# Altium PCB DI544.PcbDoc (part 6 of 7) (continued)
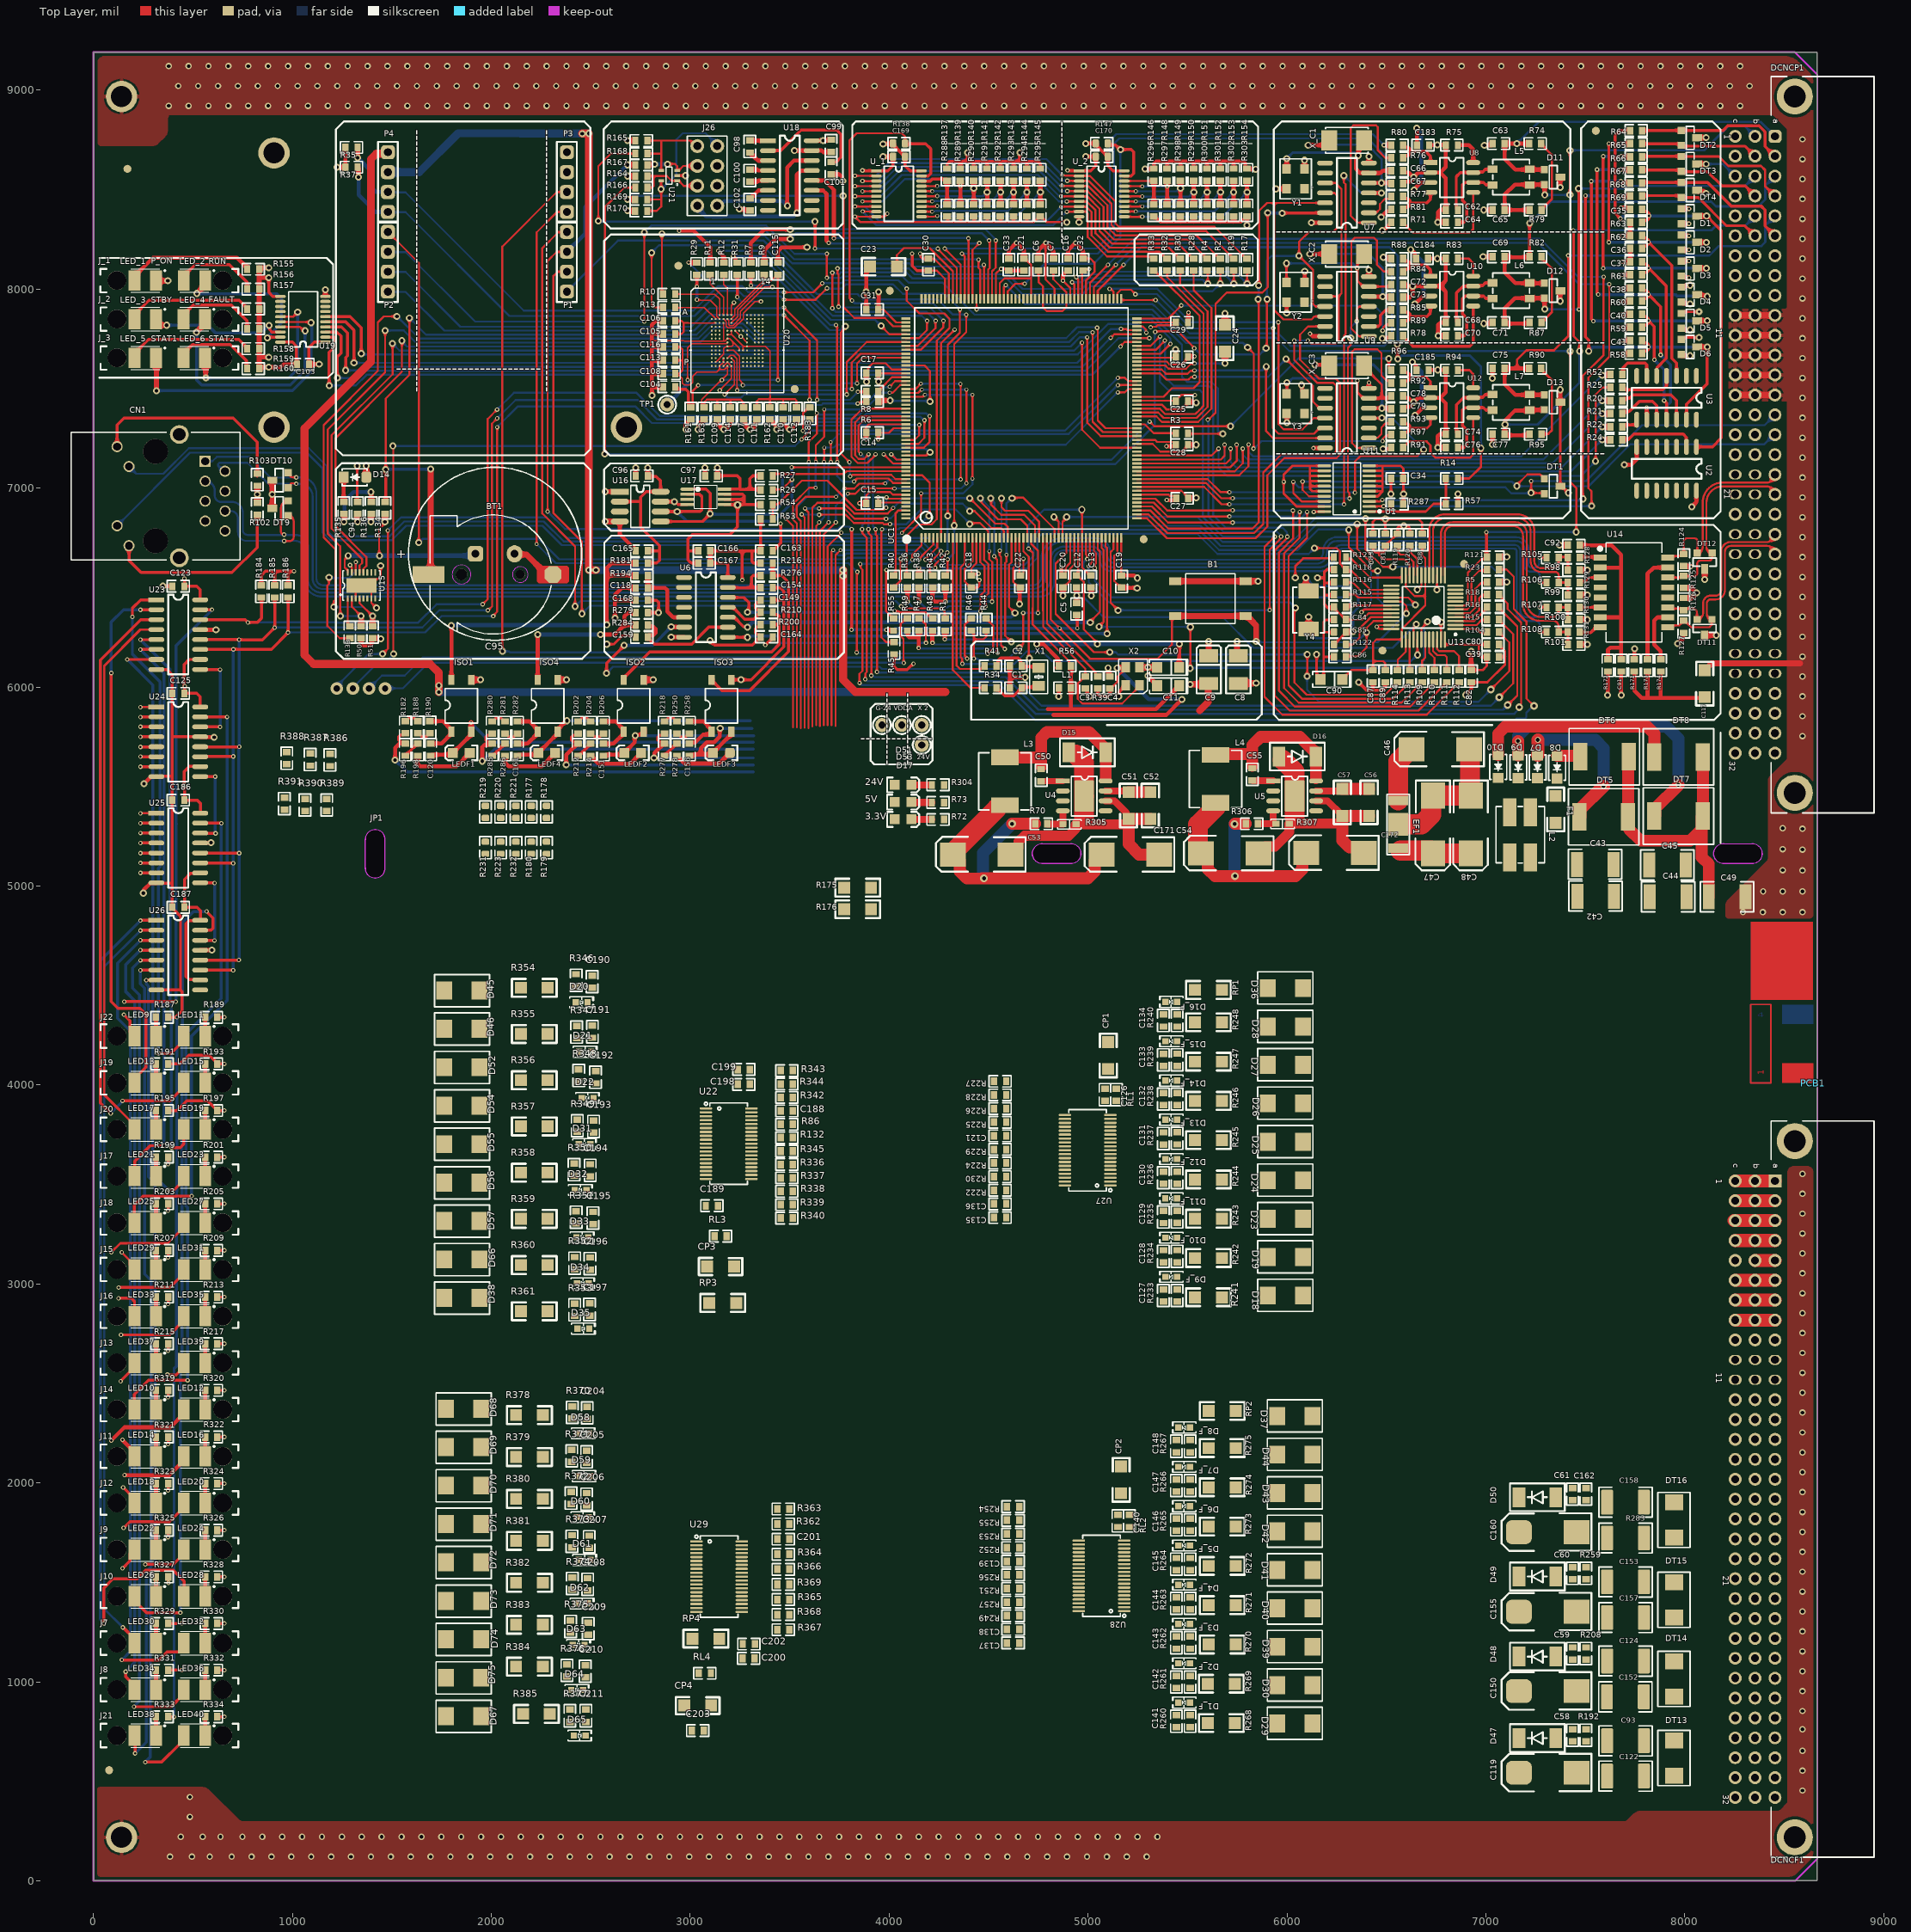
[diagram p0: Top Layer view]
## Nets (pads, with @x,y where several pads share a name; then routed paths per layer and width w, separated by ;. In a path a pad name is that pad's centre, name@x,y a point inside that pad or via, vN(x,y) a via of type N, cw(c..) or ccw(c..) an arc to the next point about the centre after c; other vN are vias at no path point) (continued)
  Bottom Layer w10: v1(5362.06,7762.48) 5360.81,7761.23 5360.81,7535.84 5402.87,7493.78 5562.22,7493.78 5576.94,7479.06 5576.94,6856.63 5677.94,6755.63 v1(5938.65,6755.65)
NetR112_2: R112.2 U13.46 | length 244.1
  Top Layer w10: U13.46@6754.71,6239.22 6754.81,6239.12 6754.81,6191.06 6764.76,6181.1 6840.55,6181.1 6865.72,6155.94 R112.2@6865.72,6085.48
NetR113_1: R113.1 UC1.56 | length 2495
  Top Layer w10: UC1.56@5245.9,6907.82 5321.77,6907.82 5402.59,6827 v1@5725.92,6827 ; v1(6101.15,6880.84) 6101.15,6750.75 6008.86,6658.46 6008.86,6008.86 6076.1,5941.61 6535.24,5941.61 R113.1@6618.1,6024.48
  Bottom Layer w10: v1@5725.92,6827 v1(5726.91,6827) 6048.29,6827 v1@6103.12,6881.82
NetR113_2: R113.2 U13.39 | length 154.2
  Top Layer w10: U13.39@6616.92,6239.22 6616.92,6086.66 R113.2@6618.1,6085.48
NetR114_1: R114.1 UC1.44 | length 2281.9
  Top Layer w10: v1(5003.36,6607.29) 5003.36,6610.53 5021.31,6628.48 5021.31,6661.69 5009.68,6673.32 UC1.44@5009.68,6750.34 ; v3@6037.8,6406.5 6037.8,6023.23 6099.41,5961.61 6493.34,5961.61 R114.1@6556.2,6024.48
  Bottom Layer w10: v1(5003.36,6607.29) 5003.65,6607 5003.65,6526.42 5103.9,6426.18 6015.55,6426.18 v3(6043.11,6398.62)
NetR114_2: R114.2 U13.38 | length 170.7
  Top Layer w10: R114.2@6556.2,6085.48 6557.09,6086.36 6557.09,6137.8 6597.23,6177.94 U13.38@6597.23,6239.22
NetR116_1: R116.1 U13.27 | length 251.2
  Top Layer w10: R116.1@6297.23,6523.52 6299.31,6525.59 6331.69,6525.59 6387.75,6469.53 U13.27@6524.4,6469.53
NetR117_2: R117.2 U13.30 UC1.45 | length 1802.1
  Top Layer w10: UC1.45@5029.36,6750.34 5029.36,6681.64 5039.18,6671.82 5039.18,6621.07 5034.03,6615.92 v1(5034.03,6597.98) ; R117.2@6297.23,6399.56 R117.2@6308.11,6410.43 ; v1@6331.71,6410.45 U13.30@6524.4,6410.48
  Top Layer w18: R117.2@6308.11,6410.43 v1@6331.69,6410.43
  Bottom Layer w10: v1@5036,6597 5034.03,6595.03 5034.03,6534.87 5118.11,6450.79 6292.05,6450.79 v1@6331.69,6411.14
  other v1: 6331.69,6411.42
NetR119_1: R119.1 U13.21 | length 198.3
  Top Layer w10: R119.1@6556.2,6710.48 6558.07,6708.6 6558.07,6679.13 6570.87,6666.34 6599.41,6666.34 6636.29,6629.46 6636.29,6629.15 ; U13.21@6636.6,6562.05 6636.6,6629.15
NetR120_1: R120.1 U13.20 | length 164.2
  Top Layer w10: R120.1@6618.1,6710.48 6618.1,6680.13 6656.29,6641.94 U13.20@6656.29,6562.05
NetR121_2: R121.2 U13.7 UC1.135 | length 4901
  Top Layer w10: UC1.135@4576.61,7951.13 4576.61,8008.72 4586.41,8018.53 v1(4586.41,8021.23) ; U13.7@6847.23,6410.48 6896.7,6410.48 6909.45,6423.23 6909.45,6574.8 6980.13,6645.48 7003.28,6645.48 R121.2@7005.27,6647.47 ; R121.2@7002.95,6656.47 R121.2@7005.27,6654.15 R121.2@7005.27,6647.64 ; v3(7424.21,7688.98) 7424.21,7031.5 7454.72,7000.98 v3(7454.72,6779.53)
  Top Layer w15: R121.2@7002.95,6656.47 v1(7002.95,6779)
  Bottom Layer w10: v1(4586.41,8021.23) 4683.43,7924.21 5324.5,7924.21 5330.67,7918.05 5333.31,7918.05 5495.36,7756 5944.79,7756 6011.81,7688.98 v3(7424.21,7688.98) ; v1(7002.95,6779) 7003.22,6779.26 7454.46,6779.26 v3(7454.72,6779.53)
NetR122_2: R122.2 U13.33 | length 311.3
  Top Layer w10: R122.2@6297.23,6213.62 6330.75,6213.62 6365.16,6248.03 6365.16,6294.29 6421.94,6351.07 6524.05,6351.07 U13.33@6524.4,6351.42
NetR123_2: R123.2 U13.24 | length 332.4
  Top Layer w10: R123.2@6297.23,6647.47 6300.73,6643.97 6324.53,6643.97 6418.31,6550.2 6577.45,6550.2 6577.55,6550.29 U13.24@6577.55,6562.05
NetR133_1: R133.1 U15.14 | length 637.2
  Top Layer w9.84: 1176.18,6306.1 1176.18,6510.83 1184.05,6518.7 v3@1184.05,6552.17 ; 1178.15,6306.1 1238.86,6245.4 R133.1@1288.83,6245.4 ; U15.14@1318.29,6575.75 1318.29,6620.66 1318.52,6620.89 1318.52,6623.77 1318.82,6624.07 1318.82,6630.52 v1@1320.77,6632.46
  Bottom Layer w9.84: v3@1189.96,6548.23 1285.43,6548.23 1320.77,6583.56 v1@1320.77,6632.46
  other v1: 1318.8,6628.53
  other v3: 1184.41,6552.17
NetR133_2: R133.2 U15.1 | length 143.5
  Top Layer w10: U15.1@1278.91,6445.75 1278.91,6316.31 R133.2@1288.83,6306.4
NetR135_1: R135.1 R136.2 | length 339.3
  Top Layer w15: R135.1@1258.89,6870.16 R135.1@1259.37,6869.68 ; v3@1259.37,6835.12 v3@1259.84,6834.65
  Top Layer w20: v3(1395.67,6980.32) 1396.16,6979.83 1396.16,6931.65 R136.2@1396.65,6931.16
  Top Layer w25: v3@1259.37,6835.12 R135.1@1259.37,6869.68
  Bottom Layer w20: v3@1259.84,6834.65 1261.97,6836.78 1261.97,6935.2 1307.09,6980.32 v3(1395.67,6980.32)
  other v3: 1259.84,6830.71
NetR137_1: R137.1 R288.2 U_1.18 | length 249.6
  Top Layer w15: U_1.18@4162.8,8543.74 4206.74,8543.74 4217.13,8554.13 R137.1@4289.53,8554.13
  Top Layer w20: R288.2@4291.84,8426.98 R137.1@4291.84,8545.54
NetR139_1: R139.1 R289.2 U_1.17 | length 316.1
  Top Layer w10: U_1.17@4162.8,8518.15 4162.95,8518.31 4242.45,8518.31 v4(4242.61,8518.46)
  Top Layer w20: R289.2@4358.73,8426.98 R139.1@4358.73,8545.54
  Bottom Layer w10: v4(4242.61,8518.46) 4242.84,8518.23 4359.77,8518.23 v1@4360,8518
  other v1: 4359,8519.97
NetR140_1: R140.1 R290.2 U_1.16 | length 388
  Top Layer w10: U_1.16@4162.8,8492.56 v4(4216.88,8492.56)
  Top Layer w20: R290.2@4425.62,8426.98 R140.1@4425.62,8545.54
  Bottom Layer w10: v4(4216.88,8492.56) 4217.79,8493.46 4301.9,8493.46 4302.37,8493 4407.64,8493 4421.42,8506.78 v3(4426,8506.78)
NetR141_1: R141.1 R291.2 U_1.15 | length 458.6
  Top Layer w10: U_1.15@4162.8,8466.97 4163.39,8467.56 4241.7,8467.56 v4(4242.61,8468.46)
  Top Layer w20: R291.2@4492.51,8426.98 4493.26,8427.73 R141.1@4493.26,8545.54
  Bottom Layer w10: v4(4242.61,8468.46) 4243.51,8467.56 4472.37,8467.56 v3(4493,8488.19)
NetR142_1: R142.1 R292.2 U_1.14 | length 535.9
  Top Layer w10: U_1.14@4162.8,8441.38 4163.09,8441.08 v4@4216.88,8441.08
  Top Layer w20: R292.2@4559.4,8426.98 4560.2,8427.78 R142.1@4560.2,8545.54
  Bottom Layer w10: v4(4216.88,8440.79) 4218.8,8442.7 4231.49,8442.7 4232.25,8443.46 4515.28,8443.46 v3(4560,8488.19)
NetR143_1: R143.1 R293.2 U_1.13 | length 613
  Top Layer w10: U_1.13@4162.8,8415.79 4227.24,8415.79 4228,8416.55 4240.69,8416.55 v4(4242.61,8418.46)
  Top Layer w20: R293.2@4626.29,8426.98 R143.1@4626.29,8545.54
  Bottom Layer w10: v4(4242.61,8418.46) 4244.07,8417 4554.81,8417 v3(4626,8488.19)
NetR144_1: R144.1 R294.2 U_1.12 | length 689.8
  Top Layer w10: U_1.12@4162.8,8390.2 4163.09,8389.9 4216.59,8389.9 v4(4216.88,8389.61)
  Top Layer w20: R294.2@4693.18,8426.98 R144.1@4693.18,8545.54
  Bottom Layer w10: v4(4216.88,8389.61) 4218.81,8391.52 4230.31,8391.52 4232.25,8393.46 4598.28,8393.46 v3(4693,8488.19)
NetR145_1: R145.1 R295.2 U_1.11 | length 768.8
  Top Layer w10: U_1.11@4162.8,8364.61 4217.59,8364.61 4227.23,8364.6 4229.19,8366.55 4240.69,8366.55 v4(4242.61,8368.46)
  Top Layer w20: R295.2@4761,8427.91 4760.45,8428.46 4760.45,8487.81 v3(4760.83,8488.19) 4760.45,8488.57 4760.45,8544.99 R145.1@4761,8545.54
  Bottom Layer w10: v4(4242.61,8368.46) 4244.07,8367 4639.64,8367 v3(4760.83,8488.19)
NetR146_1: R146.1 R296.2 U_2.18 | length 268.4
  Top Layer w10: U_2.18@5182,8543.74 5329.24,8543.74 R146.1@5331.05,8545.54
  Top Layer w20: R296.2@5331.05,8426.98 R146.1@5331.05,8545.54
NetR148_1: R148.1 R297.2 U_2.17 | length 335.4
  Top Layer w10: U_2.17@5182,8518.15 5182.07,8518.07 5271.93,8518.07 v4(5273,8517)
  Top Layer w20: R297.2@5397.94,8426.98 R148.1@5397.94,8545.54
  Bottom Layer w10: v4(5273,8517) 5273.34,8516.66 5397.58,8516.66 v1@5398,8517.09
  other v1: 5398,8518.07
NetR149_1: R149.1 R298.2 U_2.16 | length 407.2
  Top Layer w10: U_2.16@5182.56,8492 v4(5240,8492)
  Top Layer w15: R298.2@5464.83,8426.98 R298.2@5464.91,8427.07
  Top Layer w20: R298.2@5464.83,8426.98 R149.1@5464.83,8545.54
  Bottom Layer w10: v4(5240,8492) 5446.64,8492 5461.42,8506.78 v3(5465,8506.78)
NetR150_1: R150.1 R299.2 U_2.15 | length 478.9
  Top Layer w10: U_2.15@5182,8466.97 5182.43,8466.6 5272.64,8466.6 v4(5273,8466.24)
  Top Layer w20: R299.2@5531.72,8426.98 R150.1@5531.72,8545.54
  Bottom Layer w10: v4(5273,8466.24) 5274.15,8465.09 5508.9,8465.09 v3(5532,8488.19)
NetR151_1: R151.1 R300.2 U_2.14 | length 554.7
  Top Layer w10: U_2.14@5182.48,8440.89 v4(5240,8440.89)
  Top Layer w20: R300.2@5598.61,8426.98 R151.1@5598.61,8545.54
  Bottom Layer w10: v4(5240,8440.89) 5240.11,8441 5551.81,8441 v3(5599,8488.19)
NetR152_1: R152.1 R301.2 U_2.13 | length 632.5
  Top Layer w10: U_2.13@5182,8415.79 5182.11,8415.89 5272.89,8415.89 v4(5273,8416)
  Top Layer w20: R301.2@5665.5,8426.98 R152.1@5665.5,8545.54
  Bottom Layer w10: v4(5273,8416) 5593.81,8416 v3(5666,8488.19)
NetR153_1: R153.1 R302.2 U_2.12 | length 708.4
  Top Layer w10: U_2.12@5182.7,8390.89 v4(5240,8390.89)
  Top Layer w15: R302.2@5732.19,8427.18 R302.2@5732.39,8426.98
  Top Layer w20: R302.2@5732.39,8426.98 R153.1@5732.39,8545.54
  Bottom Layer w10: v4(5240,8390.89) 5634.7,8390.89 v3(5732,8488.19)
NetR154_1: R154.1 R303.2 U_2.11 | length 787.4
  Top Layer w10: U_2.11@5182.61,8364 v1(5273,8364)
  Top Layer w20: R303.2@5799.28,8426.98 R154.1@5799.28,8545.54
  Bottom Layer w10: v1(5273,8364) 5675.81,8364 v3(5800,8488.19)
NetR166_1: R166.1 UC1.192 | length 3215.3
  Top Layer w10: v3(2570.87,7171.24) 2571.14,7171.52 2571.14,8412.68 2668.82,8510.35 R166.1@2723.92,8510.35 ; UC1.192@4084.48,7163.73 4186.74,7163.73 4203.13,7180.12 v3(4205.71,7180.12)
  Bottom Layer w10: v3(2570.87,7171.24) 3731.28,7171.24 3757.04,7197 4187.2,7197 4204.08,7180.12 v3(4205.71,7180.12)
NetR168_1: R168.1 UC1.147 | length 2624.9
  Top Layer w10: v3(2538.64,8342.52) 2538.64,8618.37 2601.96,8681.69 R168.1@2723.92,8681.69 ; v1(4245.56,8203.47) 4245.56,8200.98 4340.39,8106.15 UC1.147@4340.39,7951.13
  Top Layer w15: v1(3627.95,8204.72) v3(3627.95,8339.9)
  Bottom Layer w10: v3(2538.64,8342.52) 2541.48,8339.69 3168.96,8339.69 3169.18,8339.9 v3(3627.95,8339.9) ; v1@3627.95,8205 4245.56,8205 4246,8205 v1@4247.53,8203.47
NetR169_1: R169.1 UC1.159 | length 2043.4
  Top Layer w10: v3@3766.73,8469.49 3771.52,8464.7 3771.52,8451.27 3771.66,8451.13 3771.66,7908.46 3824.8,7855.32 3978.35,7855.32 4020.33,7813.33 UC1.159@4084.48,7813.33
  Top Layer w25: v3(2684.85,8451.77) R169.1@2723.74,8451.76
  Bottom Layer w10: v3@2688.79,8451.77 2706.51,8469.49 3031.39,8469.49 cw(c3035.83,8419.69) 3040.26,8469.49 3131.39,8469.49 cw(c3135.83,8419.69) 3140.26,8469.49 3766.73,8469.49 v3@3770.67,8469.49
  other v3: 3768.7,8469.49
NetR173_1: R173.1 U14.15 | length 544.8
  Top Layer w20: R173.1@7812.72,6139.46 7812.72,6569.61 7843.95,6600.84 U14.15@7914.46,6600.84
NetR174_1: R174.1 U14.10 | length 282.4
  Top Layer w20: R174.1@7878.98,6139.46 7878.98,6181.02 7847,6213 7847,6334.2 7863.64,6350.84 U14.10@7914.46,6350.84
NetR177_2: R177.2 UC1.173 | length 2171.2
  Top Layer w9.84: R177.2@2201,5403.19 R177.2@2206.17,5403.19 ; 3536.89,5797 3536.89,6822.83 3517.36,6842.37 3517.36,6921.42 3597.95,7002 v4(3631,7002) ; v4(3632,7132) 3632,7216 3674,7258 v4(3674,7395.92) ; v4(4003,7510) 4030.74,7537.74 UC1.173@4084.48,7537.74
  Bottom Layer w9.84: v4(3631,7002) 3631,7131 v4(3632,7132) ; v4(3674,7395.92) 3674.92,7395 3851.81,7395 3963.81,7507 v4@4009,7507
NetR178_1: R178.1 UC1.174 | length 2171.1
  Top Layer w9.84: v1(3480.3,6847) 3517.58,6809.71 3517.58,5798 ; v4(3596,7132) 3596,7232.63 3637,7273.63 v4(3637,7377) ; v4(4003,7480) 4003.07,7479.93 4018.41,7479.93 4056.55,7518.06 UC1.174@4084.48,7518.06
  Bottom Layer w9.84: v1(3480.3,6847) 3596,6962.7 v4(3596,7132) ; v4(3637,7377) 3639.75,7377 3646.75,7370 3851.87,7370 3961.87,7480 v4(4003,7480)
NetR179_1: R179.1 UC1.176 | length 2610.8
  Top Layer w9.84: R179.1@2277.75,5223 R179.1@2278.87,5224.12 ; 3672,5809 3672,6768 v1(3732,6828) ; v4(3793,6972) 3830,6972 3857,6999 v4@4027,6999 ; UC1.176@4086.25,7478.34 4086.59,7478.69 4146.29,7478.69 4162.6,7495 v4(4165,7495) ; v4(4389,7025) v4(4389.01,7495.51)
  Bottom Layer w9.84: v1(3732,6828) 3732,6911 v4(3793,6972) ; v4@4027,6999 4363,6999 v4(4389,7025) ; v4(4165,7495) v4@4387,7495
  other v4: 4027,6998
NetR180_1: R180.1 UC1.177 | length 2609.5
  Top Layer w9.84: R180.1@2201,5223 R180.1@2201.32,5223.32 ; 3691.38,5808 3691.38,6707.13 v1(3760,6775.75) ; v4(4064.82,6774.75) 4160.92,6870.85 v4(4160.92,6974.08) ; UC1.177@4086.59,7459 4169.16,7459 4179.17,7469.02 v4(4180,7469.02) ; v4(4419,7048) v4(4419.02,7469.02)
  Bottom Layer w9.84: v1(3760,6775.75) 3763.29,6775.75 3771.04,6768 4055.32,6768 4062.07,6774.75 v4(4064.82,6774.75) ; v4(4160.92,6974.08) 4161,6974 4373.24,6974 4419,7019.76 v4(4419,7048) ; v4(4180,7469.02) v4(4419.02,7469.02)
NetR182_1: R182.1 R188.2 | length 76.3
  Top Layer w15: R182.1@1567.9,5828.65 1571.4,5828.65 1588.49,5845.74 1609.42,5845.74 1626.52,5828.65 R188.2@1630.02,5828.65
NetR183_1: R183.1 | length 3510.9
  Top Layer w10: v3(1506,7212) 1507.43,7210.57 1507.43,6167.77 v3(1508.86,6166.34) ; v1(3560,7245) 3602,7287 R183.1@3602,7345
  Bottom Layer w10: v9@1301.18,5994.09 1440.94,6133.86 1476.38,6133.86 v3(1508.86,6166.34) ; v3(1506,7212) 3527,7212 v1(3560,7245)
  other v9: 1304.45,5993.11
NetR183_2: R183.2 UC1.88 | length 1929.6
  Top Layer w10: v1(3566.86,7288.63) 3567.33,7289.1 3567.33,7376.44 3585.93,7395.04 3585.93,7395.12 3596.93,7406.12 R183.2@3600.43,7406.12 ; v1(5149.97,7554.72) 5185.34,7554.72 5202,7538.06 ; 5202,7537.74 UC1.88@5245.9,7537.74
  Bottom Layer w10: v1(3566.86,7288.63) 3567.96,7289.72 4884.97,7289.72 v1(5149.97,7554.72)
NetR184_1: R184.1 U23.14 UC1.190 | length 5195
  Top Layer w10: v1(1956.69,6416.34) 1982.42,6442.07 1982.42,7347.93 v1(2029.51,7395.02) ; UC1.190@4084.48,7203.1 4174.56,7203.1 4203.74,7232.28 v1(4203.74,7362.2)
  Top Layer w15: U23.14@536.78,6338.85 762.53,6338.85 v1(776.57,6324.8) 823.82,6324.8 845.47,6346.46 R184.1@845.47,6450.19
  Bottom Layer w10: v1(776.57,6324.8) 776.96,6325.19 1227.27,6325.19 1228.27,6324.19 1633.19,6324.19 1725.34,6416.34 v1(1956.69,6416.34) ; v1(2029.51,7395.02) 2113.49,7479 2731,7479 2846.95,7363.05 3567.17,7363.05 3580.23,7350 3861.38,7350 3887.26,7375.88 4186.82,7375.88 4200.49,7362.2 v1(4203.74,7362.2)
NetR185_1: R185.1 U23.12 U24.12 U25.12 U26.12 UC1.189 | length 7286.8
  Top Layer w10: v1@1984.25,6385.83 2004.59,6406.17 2004.59,6869 2003.85,6869.75 2003.85,7324.52 v1(2029.85,7350.52) ; UC1.189@4084.48,7222.78 4147.98,7222.78 4177.74,7252.54 v1(4177.74,7341.54)
  Top Layer w15: U26.12@536.78,4627.64 536.94,4627.8 v1@731.14,4627.8 ; U25.12@536.78,5166.35 537.28,5165.85 v1@732.73,5165.85 ; U24.12@536.78,5700.13 536.94,5699.97 v1(733.1,5699.97) ; U23.12@536.78,6238.85 537.23,6238.39 732.08,6238.39 v1(732.53,6237.94) 850.17,6237.94 v1(911.42,6299.19) R185.1@911.42,6450.19
  Bottom Layer w10: v1(911.42,6299.19) 912.42,6300.2 1653.2,6300.2 1738.83,6385.83 v1@1984.25,6385.83 ; v1(2029.85,7350.52) 2122.33,7443 2737,7443 2834.82,7345.18 3559.77,7345.18 3572.82,7332.13 3868.78,7332.13 3894.66,7358 4158.02,7358 4174.49,7341.54 v1(4177.74,7341.54)
  Bottom Layer w15: v1(731.13,4628.12) 732.47,4629.46 732.47,4634.41 733.06,4634.99 v1(733.06,5165.52) 731.72,5166.86 731.72,5171.81 731.59,5171.94 731.59,5696.56 733.1,5698.07 v1(733.1,5699.97) ; v1@732.53,5700.54 v1(732.53,6237.94)
  other v1: 1983.27,6386.32
NetR186_1: R186.1 U23.11 U24.11 U25.11 U26.11 UC1.188 | length 7119.8
  Top Layer w10: v1(2009.84,6356.3) 2009.84,6358.72 2029.85,6378.72 v1(2029.85,7306.35) ; UC1.188@4084.48,7242.47 4084.82,7242.13 4127.95,7242.13 4151.74,7265.91 v1(4151.74,7317.92)
  Top Layer w15: U26.11@536.78,4577.64 537.21,4577.2 v1@702.32,4577.2 ; U25.11@536.78,5116.35 536.89,5116.47 v1@698.57,5116.47 ; U24.11@536.78,5650.13 537.58,5650.94 702.29,5650.94 v1(703.09,5651.74) ; U23.11@536.78,6188.85 537.34,6189.4 703.72,6189.4 v1@704.28,6189.96 ; v1@704.72,6189.96 894.11,6189.96 v1(978.35,6274.2) ; v1@978.35,6274.61 978.59,6274.85 R186.1@978.59,6450.19
  Bottom Layer w10: v1(978.35,6274.2) 978.76,6274.61 1667.61,6274.61 1750.28,6357.28 2008.86,6357.28 v1(2009.84,6356.3) ; v1(2029.85,7306.35) 2134.5,7411 2724,7411 2807.7,7327.3 3552.37,7327.3 3565.04,7314.63 3855.12,7314.63 3857.61,7317.13 4150.95,7317.13 v1(4151.74,7317.92)
  Bottom Layer w15: v1(702.59,4576.94) v1(702.59,5114.34) ; v1@703.09,5114.84 v1(703.09,5651.74) 703.09,6188.78 v1(704.03,6189.71)
NetR188_1: R188.1 R190.2 | length 77.5
  Top Layer w15: R188.1@1630.02,5767.65 1633.52,5767.65 1650.91,5750.26 1672.21,5750.26 1689.6,5767.65 R190.2@1693.1,5767.65
NetR196_1: R196.1 R198.2 | length 91.5
  Top Layer w15: R196.1@1567.9,5654.76 1571.4,5654.76 1577.4,5660.76 1577.4,5665.13 1628.03,5715.76 R198.2@1631.53,5715.76
NetR202_1: R202.1 R204.2 | length 78.2
  Top Layer w15: R202.1@2436.48,5827.65 2439.98,5827.65 R202.1@2448.48,5836.15 ; R202.1@2448.48,5836.69 2457.26,5845.47 2479.6,5845.47 R204.2@2488.39,5836.69 ; R204.2@2488.39,5836.15 2496.89,5827.65 R204.2@2500.39,5827.65
NetR204_1: R204.1 R206.2 | length 77.5
  Top Layer w15: R204.1@2500.39,5766.65 2503.89,5766.65 2521.28,5749.26 2542.58,5749.26 2559.97,5766.65 R206.2@2563.47,5766.65
NetR212_1: R212.1 R214.2 | length 91.6
  Top Layer w15: R212.1@2436.48,5654.76 2439.98,5654.76 2490.89,5705.67 2490.89,5709.76 2496.89,5715.76 R214.2@2500.39,5715.76
NetR218_1: R218.1 R250.2 | length 77.4
  Top Layer w15: R218.1@2870.54,5827.65 2874.04,5827.65 R218.1@2882.54,5836.15 ; R218.1@2882.54,5836.69 2891.33,5845.47 2912.84,5845.47 R250.2@2921.62,5836.69 ; R250.2@2921.62,5836.15 2930.12,5827.65 R250.2@2933.62,5827.65
NetR219_2: R219.2 UC1.18 | length 2154.3
  Top Layer w10: R219.2@1970.75,5403.19 R219.2@1972.63,5403.19 ; v1(3561,6868) 3575.59,6853.41 3575.59,5795 ; v1(3648.21,6866) 3649.14,6866.93 3781.07,6866.93 3823,6825 3968,6825 3974.28,6818.72 v1@4001.69,6818.72 ; v3@4404.53,6819.88 4409.31,6824.67 4456.83,6824.67 4497.87,6783.63 UC1.18@4497.87,6750.34
  Bottom Layer w10: v1(3561,6868) 3562,6867 3647.21,6867 v1(3648.21,6866) ; v1@4001.69,6818.72 4004.69,6818.72 4005.07,6819.11 4087.81,6819.11 4161.44,6892.74 4335.43,6892.74 4404.53,6823.64 v3@4404.53,6819.88
  other v1: 4004.69,6819.72
  other v3: 4405.51,6819.88
NetR220_2: R220.2 UC1.22 | length 2256.9
  Top Layer w10: v1@3580.3,6900.7 3580.3,6892.46 3594.5,6878.25 ; 3594.9,5794 3594.9,6878.25 ; v1@3647,6898 v1(3648.21,6898) 3775.28,6898 3826.28,6847 v1@3985,6847 ; v3(4405.51,6884.84) 4430.12,6884.84 4516.38,6798.58 4562.64,6798.58 4576.61,6784.61 UC1.22@4576.61,6750.34
  Bottom Layer w10: v1@3578,6903 3581.25,6903 3586.25,6898 v1@3647,6898 ; v1@3985,6847 3986.91,6848.91 4008.91,6848.91 4082,6922 4369.34,6922 v3@4406,6885.33
  other v1: 3985,6846 3578,6898
NetR221_2: R221.2 UC1.23 | length 2259.8
  Top Layer w10: 3614.21,5803 3614.21,6901.21 3639,6926 3772.56,6926 3825.68,6872.87 3992.95,6872.87 v4(4020.67,6900.59) ; v3(4405.51,6949.8) 4533.46,6821.85 4580.71,6821.85 4596.29,6806.27 UC1.23@4596.29,6750.34
  Bottom Layer w10: v4(4020.67,6900.59) 4069.16,6949.08 4231.2,6949.08 4231.92,6949.8 v3(4405.51,6949.8)
NetR225_2: R225.2 R226.1 U27.24
NetR227_2: R227.2 R228.1 U27.23
NetR250_1: R250.1 R258.2 | length 77.5
  Top Layer w15: R250.1@2933.62,5766.65 2937.12,5766.65 2954.51,5749.26 2975.81,5749.26 2993.2,5766.65 R258.2@2996.7,5766.65
NetR252_2: R252.2 R253.1 U28.24
NetR254_2: R254.2 R255.1 U28.23
NetR277_1: R277.1 R278.2 | length 91.2
  Top Layer w15: R277.1@2870.54,5654.76 2874.04,5654.76 2882.54,5663.26 2882.54,5666.76 2921.62,5705.84 2921.62,5707.26 2930.12,5715.76 R278.2@2933.62,5715.76
NetR280_1: R280.1 R281.2 | length 78.9
  Top Layer w15: R280.1@2004.6,5827.65 2008.1,5827.65 2026.14,5845.69 2046.97,5845.69 2065.01,5827.65 R281.2@2068.51,5827.65
NetR281_1: R281.1 R282.2 | length 77.5
  Top Layer w15: R281.1@2068.51,5766.65 2072.01,5766.65 2089.4,5749.26 2110.7,5749.26 2128.09,5766.65 R282.2@2131.59,5766.65
NetR285_1: R285.1 R286.2 | length 91.6
  Top Layer w15: R285.1@2004.6,5654.76 2008.1,5654.76 2059.01,5705.67 2059.01,5709.76 2065.01,5715.76 R286.2@2068.51,5715.76
NetR306_2: R306.2 R307.2 U5.4 | length 122.1
  Top Layer w35: R306.2@5862,5313 5924,5313 5931.5,5320.5 U5.4@5931.5,5370
NetR337_2: R337.2 R338.1 U22.24
NetR339_2: R339.2 R340.1 U22.23
NetR365_2: R365.2 R366.1 U29.24
NetR367_2: R367.2 R368.1 U29.23
NetR386_1: R386.1 UC1.178
NetR387_1: R387.1 UC1.179
NetR388_1: R388.1 UC1.181
NetR389_1: R389.1 UC1.191
NetR390_1: R390.1 UC1.186
NetR391_1: R391.1 UC1.187
NetTP1_1: TP1.1 U20.H5 | length 538.6
  Top Layer w5.91: v1(2987.2,7543.88) 2987.2,7704.3 3009.28,7726.38 3181.38,7726.38 U20.H5@3187.29,7732.28
  Bottom Layer w20: TP1.1@2884.54,7419.93 2987.2,7522.6 v1(2987.2,7543.88)
NetU1_2: U1.2 UC1.112 | length 5113.3
  Top Layer w10: UC1.112@5029.36,7951.13 5029.36,8011.65 v1(5139.76,8122.05) ; U1.2@6414.06,6907.86 6414.77,6908.56 6486.5,6908.56 v1@6487.2,6909.27 ; v3(7531.5,6910.43) 7531.5,6984.25 7516,6999.75 7516,7555.37 7621,7660.37 v1(7621,8025.5)
  Bottom Layer w10: v1(5139.76,8122.05) 5250.81,8233.09 7261.91,8233.09 7469.5,8025.5 v1(7621,8025.5) ; v1@6487.2,6909.27 6487.79,6909.85 7530.91,6909.85 v3(7531.5,6910.43)
  other v1: 6486.22,6909.27
NetU1_3: U1.3 UC1.113 | length 5071.5
  Top Layer w10: UC1.113@5009.99,7951.13 5009.99,8031.65 v1(5100.39,8122.05) ; U1.3@6414.06,6933.45 6468.39,6933.45 6476.25,6941.31 v1(6479.5,6941.31) ; v3(7488.19,6945.87) 7488.19,7564.96 7592,7668.77 v1(7592,8062)
  Bottom Layer w10: v1(5100.39,8122.05) 5231.44,8253.09 7272.5,8253.09 7463.59,8062 v1(7592,8062) ; v1@6479.5,6940.33 6481.05,6938.78 7474.34,6938.78 7481.42,6945.87 v3@7486.22,6945.87
NetU7_4: U7.4 UC1.61 | length 3021.6
  Top Layer w10: UC1.61@5245.9,7006.25 5583.75,7006.25 5671.2,6918.8 v1(5711.16,6918.8) ; v3(6286.42,8570.87) 6286.42,8535.43 6294.61,8527.24 6294.61,7774.63 6287.09,7767.11 6287.09,6918.62 v1(6287.4,6918.31) ; U7.4@6412,8484 U7.4@6412.5,8484.5
  Top Layer w20: U7.4@6412.5,8484.5 6413.37,8483.63 v3(6476,8483.63)
  Bottom Layer w10: v1@5712.18,6917.98 5712.76,6918.55 6287.16,6918.55 v1(6287.4,6918.31) ; v3(6286.42,8570.87) 6373.65,8483.63 v3@6471.09,8483.63
NetU7_10: U7.10 U9.10 UC1.54 | length 3222
  Top Layer w10: UC1.54@5245.9,6868.45 5304.57,6868.45 5399.13,6773.9 5834.92,6773.9 5880.91,6819.88 5880.91,7078.74 5973.17,7171 6233,7171 6247.05,7185.05 6247.05,7514.95 6232,7530 6151.1,7530 6037,7644.1 v1(6037,7741.68) ; v1(6105,7742) 6122,7725 6244,7725 6260,7741 6260,7964 ; U9.10@6192,7964 6260,7964 ; U7.10@6192,8534 6244,8534 6274.61,8503.39 6274.61,7978.61 6260,7964
  Bottom Layer w10: v1(6037,7741.68) 6037.18,7741.5 6104.5,7741.5 v1(6105,7742)
NetU7_11: U7.11 U9.11 UC1.194 | length 4152.3
  Top Layer w10: v1@3973.43,7170.87 4019.93,7124.36 UC1.194@4084.48,7124.36 ; v1(5337.81,7785.67) v1@5340.11,7787.97 ; v1@5340.11,7788.48 5451.52,7788.48 5534.45,7705.55 v1(5534.45,7702.76) ; v3@5899,7703 v3@5899,7942.45 ; U9.11@6192,7913 6144,7913 6132,7925 6132,8096.35 v3(6061.02,8167.32) 6061.02,8238.02 6112,8289 6233,8289 6252.96,8308.96 6252.96,8470.04 6239,8484 U7.11@6192,8484
  Bottom Layer w10: v1@3973.49,7170.87 4023.35,7121 5138,7121 5336,7319 5336,7783.86 v1(5337.81,7785.67) ; v1(5534.45,7702.76) 5535.28,7702.76 5565.79,7672.24 5864.31,7672.24 v3(5895.06,7703) ; v3@5899,7942.45 5899,8143 5923.32,8167.32 v3(6061.02,8167.32)
  other v1: 3973.49,7170.28
  other v3: 5900.97,7950.32
NetU7_12: U7.12 U9.12 UC1.55 | length 3397.9
  Top Layer w10: UC1.55@5245.9,6888.14 5313.17,6888.14 5404.06,6797.24 5826.77,6797.24 5858.14,6828.61 v3@5858.14,7950.32 ; v3@5860.11,8018.13 5860.11,8394.11 5900,8434 5937,8434 ; U9.12@6192,7863 6138.59,7863 6124.02,7848.43 5982.57,7848.43 5937,7894 5937,8434 ; U7.12@6192,8434 5937,8434
  Bottom Layer w10: v3(5855.19,7950.32) 5858.14,7953.27 v3(5858.14,8018.13)
NetU7_13: U7.13 UC1.50 | length 4001.7
  Top Layer w10: UC1.50@5127.79,6750.34 5127.79,6692.75 5114,6678.96 5114,6424.4 5151.57,6386.83 v3(5151.57,6385.83) ; v1(5602.94,7344) 5605.82,7344 5641,7379.18 5641,7926.43 5697.83,7983.27 5876.97,7983.27 5903.54,8009.84 v3(5903.54,8383.86) ; v1(5913.8,6387.8) 5913.39,6388.2 5913.39,6691.19 5968.33,6746.14 5968.33,6754.49 v1(5970.63,6756.79) ; U7.13@6190.5,8382.5 U7.13@6192,8384
  Top Layer w15: v3(5976.38,8381.89) 5977.43,8382.94 6187.94,8382.94 U7.13@6189,8384
  Top Layer w20: U7.13@6189,8384 U7.13@6190.5,8382.5
  Bottom Layer w10: v3(5151.57,6385.83) 5152.56,6386.81 5912.81,6386.81 v1(5913.8,6387.8) ; v1(5602.94,7344) 5605,7341.94 5605,6857 5681,6781 5842.91,6781 5843.56,6781.65 5949.42,6781.65 5964.65,6766.42 5964.65,6766.01 5970.63,6760.03 v1(5970.63,6756.79) ; v3(5903.54,8383.86) v3@5904.53,8382.87 ; v3@5975.39,8382.87 v3(5976.38,8381.89)
  Bottom Layer w15: v3@5904.53,8382.87 v3@5975.39,8382.87
NetU9_4: U9.4 UC1.62 | length 2143.6
  Top Layer w10: UC1.62@5245.9,7025.93 5594.07,7025.93 5670.6,6949.4 v1@5727.03,6949.4 ; v1(6314.7,6948.04) 6314.7,6974.67 6307.09,6982.28 6307.09,7705.71 6320.86,7719.48 v3(6320.86,7754.92) ; v5(6351.97,7839) 6351.97,7901.97 6363,7913 U9.4@6412,7913
  Bottom Layer w10: v1(5726.91,6949.4) 6312.6,6949.4 v1@6316,6946 ; v3(6320.86,7754.92) 6320.86,7807.89 v5(6351.97,7839)
NetU9_13: U9.13 UC1.53 | length 2267.9
  Top Layer w10: UC1.53@5245.9,6848.77 5295.97,6848.77 5396.74,6748 5842.49,6748 5901.57,6807.09 5901.57,7064.96 5987.61,7151 6250,7151 6267.05,7168.05 6267.05,7529.16 6246.21,7550 6161.61,7550 6065.81,7645.8 6065.81,7771.81 6107,7813 U9.13@6192,7813
NetU11_4: U11.4 UC1.63 | length 1992.7
  Top Layer w10: UC1.63@5245.9,7045.62 5601.38,7045.62 5667,6980 v1(5711.16,6980) ; v1(6342,6977.78) 6342,7134 6369,7161 6656,7161 v3(6688,7193) ; U11.4@6412,7352 v3@6478,7352
  Bottom Layer w10: v1(5711.16,6980) 5711.66,6979.5 6340.28,6979.5 v1(6342,6977.78) ; v3@6478,7352 6529,7352 v3(6688,7193)
  other v3: 6478,7352.98
NetU11_10: U11.10 UC1.90 | length 1151.4
  Top Layer w10: UC1.90@5245.9,7577.11 5362.89,7577.11 5394.32,7545.68 5505,7545.68 5516.81,7557.48 5532.7,7557.48 v1(5535,7559.78) ; v3(5996.06,7649.61) 6131,7514.67 6131,7435 6164,7402 U11.10@6192,7402
  Bottom Layer w10: v1(5535,7559.78) 5906.24,7559.78 v3(5996.06,7649.61)
NetU11_11: U11.11 UC1.107 | length 1761
  Top Layer w10: v1(5108.27,8001.97) 5110.56,7999.67 5116.33,7999.67 5127.79,7988.21 UC1.107@5127.79,7951.13 ; v1(5957,7834) 5957.81,7833.19 5957.81,7321.72 5983.27,7296.26 6079.26,7296.26 6135,7352 U11.11@6192,7352
  Bottom Layer w10: v1(5108.27,8001.97) 5348.57,8001.97 5435.14,7915.4 5516.54,7834 v1(5957,7834)
NetU11_12: U11.12 UC1.106 | length 1690.5
  Top Layer w10: 5147.38,7978.85 5147.38,7969.75 5147.47,7969.66 UC1.106@5147.47,7951.13 ; 5147.38,7979.85 5164.44,7996.91 5216.85,7996.91 5238.19,7975.58 v1(5238.19,7974.41) ; v1(5931.81,7804) 5930.09,7802.27 5930.09,7301.21 5957.68,7273.62 6135.83,7273.62 6164.2,7302 U11.12@6192,7302
  Bottom Layer w10: v1(5238.19,7974.41) 5239.43,7975.65 5346.6,7975.65 5519.44,7802.81 5930.62,7802.81 v1(5931.81,7804)
NetU11_13: U11.13 UC1.91 | length 1309.4
  Top Layer w10: UC1.91@5245.9,7596.8 5370.2,7596.8 5392.2,7574.8 5500.98,7574.8 5515.66,7589.48 5532.7,7589.48 v1(5535,7591.78) ; v3(5895.67,7611.22) 5895.67,7286.42 5930.09,7252 U11.13@6192,7252
  Bottom Layer w10: v1(5535,7591.78) 5875.35,7591.78 5894.79,7611.22 v3(5895.67,7611.22)
NetU13_31: U13.31 UC1.36 | length 2394.7
  Top Layer w10: v3(4828.74,6855.32) 4852.2,6831.86 UC1.36@4852.2,6750.34 ; v3(6353.35,6820.37) 6353.35,6694.88 6423.05,6625.18 v1(6425.37,6625.18) ; v1@6374.02,6377.95 6376.72,6377.95 6389.56,6390.79 U13.31@6524.4,6390.79
  Bottom Layer w10: v3(4828.74,6855.32) 4873.06,6811 5566,6811 5667.35,6709.65 6040.35,6709.65 6153.52,6822.82 v3@6350.39,6822.82 ; v1(6375,6376.97) 6423.23,6425.2 6423.23,6623.03 v1(6425.37,6625.18)
NetU13_40: U13.40 UC1.43 | length 2220.5
  Top Layer w10: UC1.43@4989.99,6750.34 4989.99,6690.99 4989.94,6690.94 4989.94,6667.38 4995.81,6661.51 v11(4995.81,6643.81) ; U13.40@6636.6,6239.22 6636.6,6297.59 6650.59,6311.58 v3(6650.59,6315.95)
  Bottom Layer w10: v11(4995.81,6643.81) 4993.81,6643.81 4977.36,6627.36 4977.36,6451.77 5077.76,6351.38 5677.17,6351.38 5831.69,6196.85 6531.5,6196.85 v3(6650.59,6315.95)